# KiCad board asynthosc.kicad_pcb (continued)
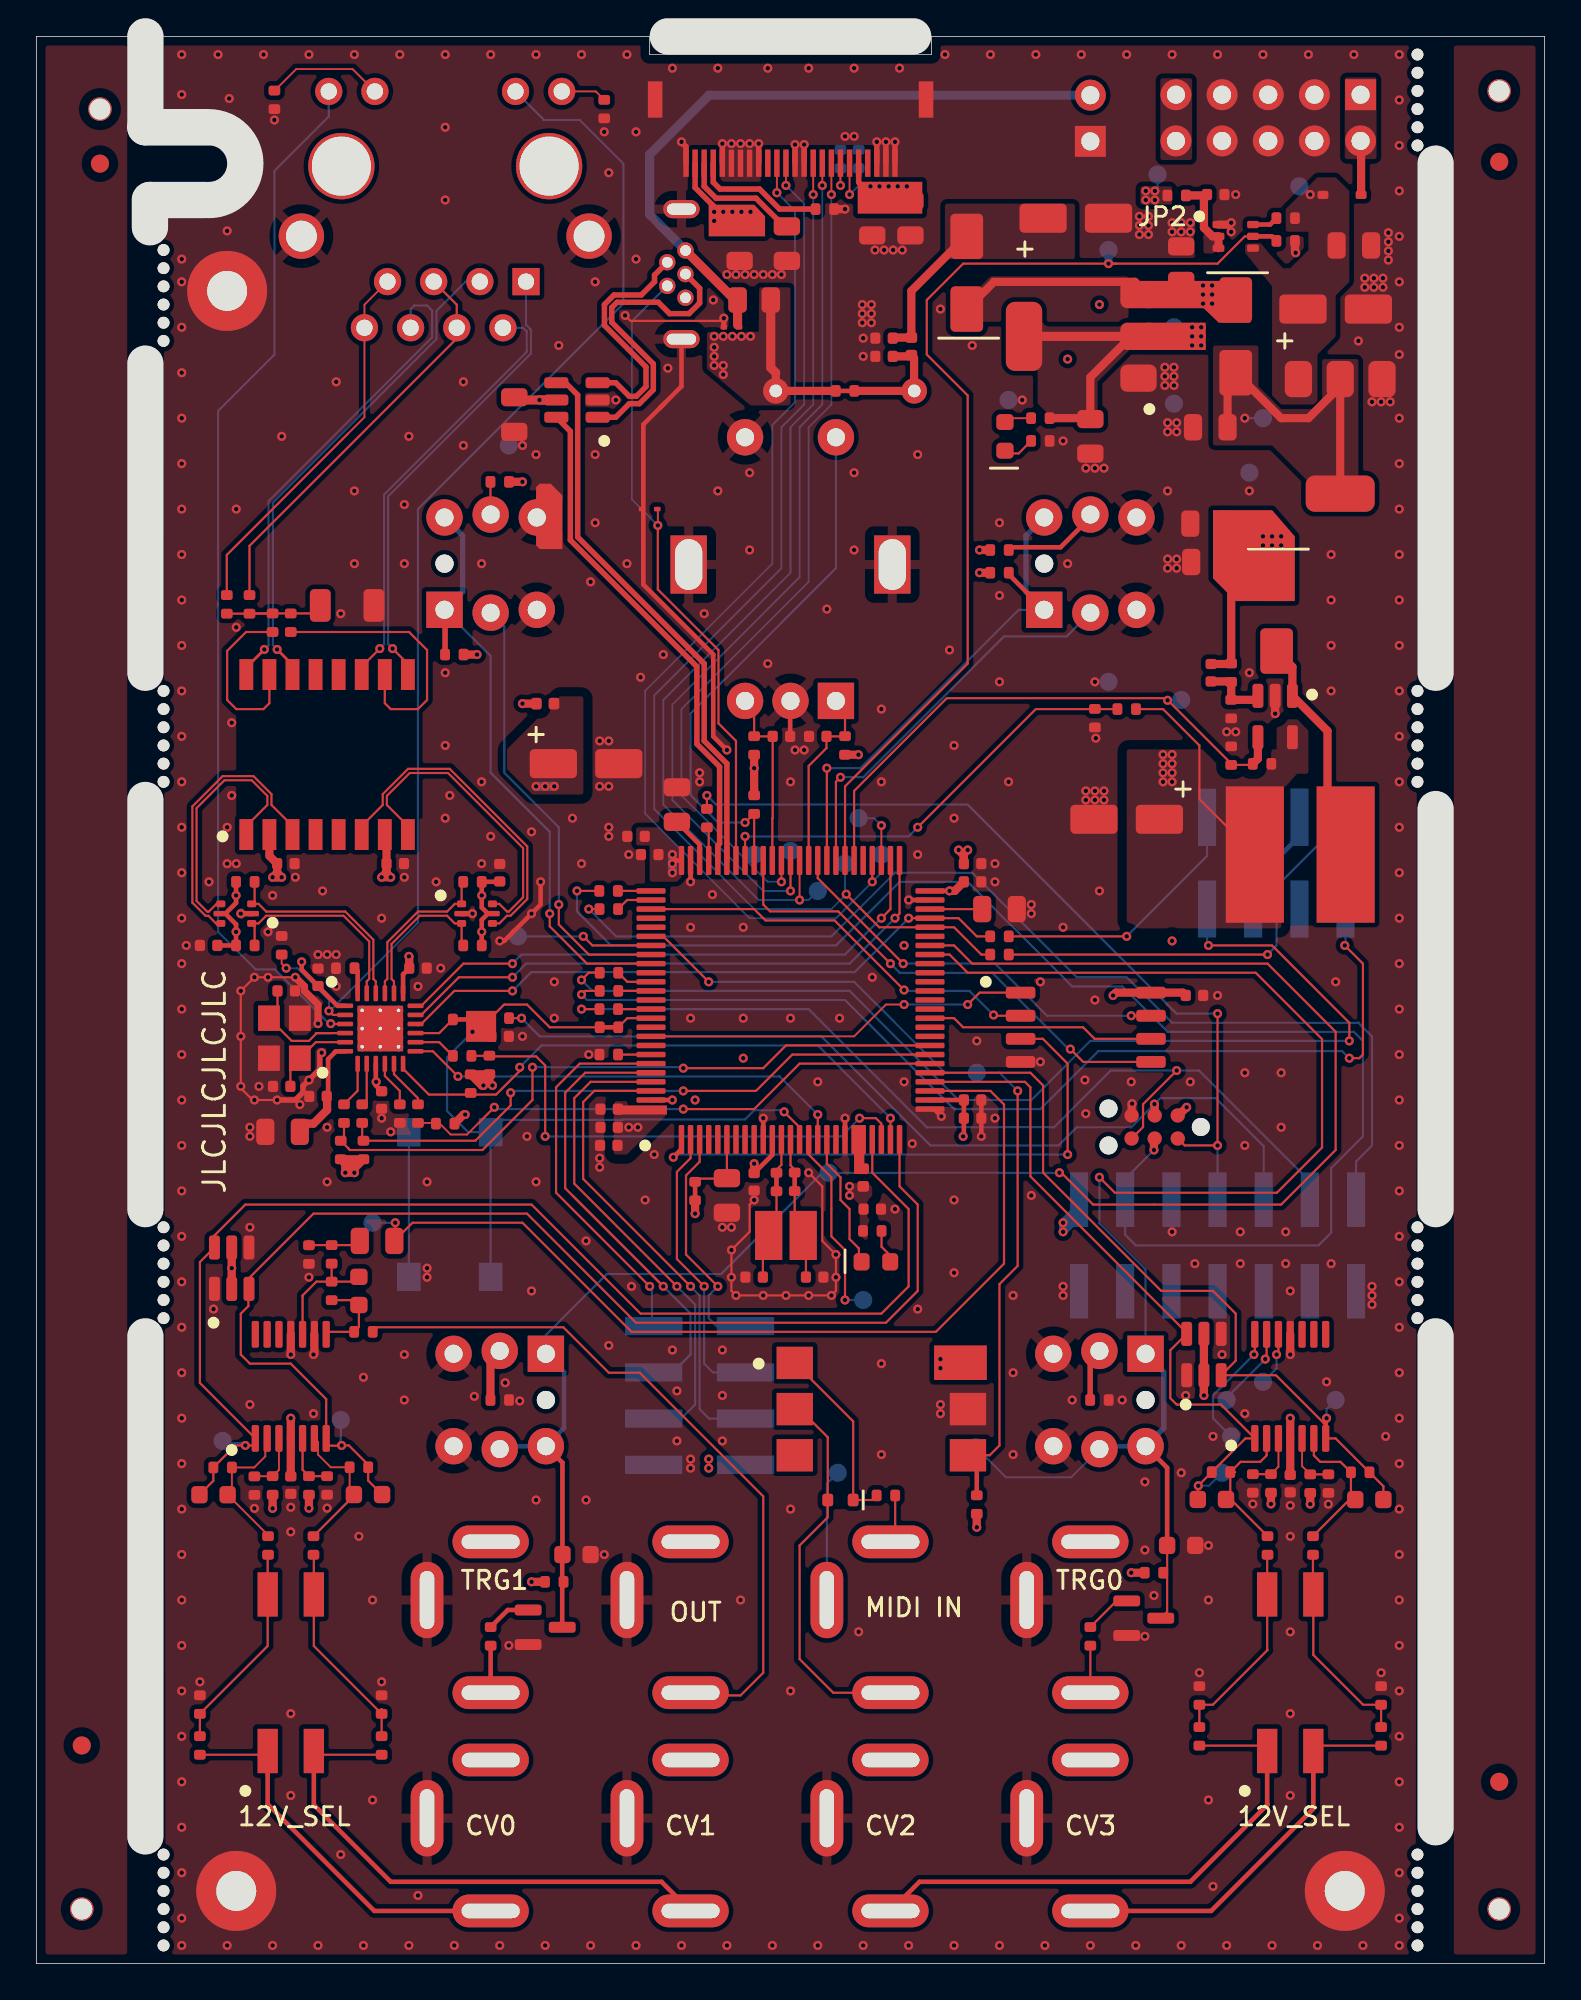
[diagram p0: board, top side]
## Library data of the parts (continued)
R7 R24 R29 R30 R35 R36 R41 R42 R45 R72 R73 = -: Description: Resistor; LCSC: C25741; RefNum: _generic_; JLC: 0402; ki_fp_filters: R_*
R8 = -: Description: Resistor; LCSC: C25900; RefNum: _generic_; JLC: 0402; ki_fp_filters: R_*
R9 R10 R26 R47 R66 R67 R80 R81 = -: Description: Resistor; LCSC: C144055; RefNum: _generic_; JLC: 0402; ki_fp_filters: R_*
R11-R19 = -: Description: Resistor; LCSC: C25092; RefNum: _generic_; JLC: 0402; ki_fp_filters: R_*
R20 R22 = -: Description: Resistor; LCSC: C25783; RefNum: _generic_; JLC: 0402; ki_fp_filters: R_*
R21 = -: Description: Resistor; LCSC: C25908; RefNum: _generic_; JLC: 0402; ki_fp_filters: R_*
R23 = -: Description: Resistor; LCSC: C11702; RefNum: _generic_; JLC: 0402; ki_fp_filters: R_*
R27 R33 R39 R70 = -: Description: Resistor; LCSC: C25792; RefNum: _generic_; JLC: 0402; ki_fp_filters: R_*
R28 R31 R32 R34 R37 R38 R40 R43 R44 R71 R74 R75 = -: Description: Resistor; LCSC: C25779; RefNum: _generic_; JLC: 0402; ki_fp_filters: R_*
R51 = -: Description: Resistor; LCSC: C102811; RefNum: _generic_; JLC: 0402; ki_fp_filters: R_*
R52 R53 R55 R56 = -: Description: Resistor; LCSC: C25105; RefNum: _generic_; JLC: 0402; ki_fp_filters: R_*
R57 R59-R61 = -: Description: Resistor; LCSC: C227387; RefNum: _generic_; JLC: 0402; ki_fp_filters: R_*
R58 = -: Description: Resistor; LCSC: C321280; RefNum: _generic_; JLC: 0402; ki_fp_filters: R_*
R62-R65 = -: Description: Resistor; LCSC: C156124; RefNum: _generic_; JLC: 0402; ki_fp_filters: R_*
R68 R69 = -: Description: Resistor; LCSC: C279989; RefNum: _generic_; JLC: 0402; ki_fp_filters: R_*
R82 = -: Description: Resistor; LCSC: C26083; RefNum: _generic_; JLC: 0402; ki_fp_filters: R_*
SW1 = -: Description: Push button switch, generic, two pins; RefNum: 6.0*6.0*6.0; LCSC: C5127964; Manufacturer: Boomele
SW2 SW5 SW7 SW8 = -: Datasheet: http://www.apem.com/int/index.php?controller=attachment&id_attachment=488; Description: MEC 5G single pole normally-open illuminated tactile switch; LCSC: C2762115; Manufacturer: ROCPU; RefNum: TPB01-3016L6W; ki_fp_filters: SW*MEC*5G*
SW3 SW4 = -: LCSC: C18198124; Manufacturer: Hanbo; RefNum: DO-02PD; ki_fp_filters: SW?DIP?x4*
SW6 = -: Description: Rotary encoder, dual channel, incremental quadrate outputs, with switch and MP Pin; RefNum: EC11E18; Manufacturer: Alps; LCSC: C370986; ki_fp_filters: RotaryEncoder*Switch*
TH1 = -: Description: Temperature dependent resistor, negative temperature coefficient; RefNum: NTC16D-9; LCSC: C2935581; Manufacturer: Ruilon; ki_fp_filters: *NTC* *Thermistor* PIN?ARRAY* bornier* *Terminal?Block* R_*
TP1-TP32 = -: Description: test point; RefNum: _na_; ki_fp_filters: Pin* Test*
TR1 = -: Datasheet: https://www.bourns.com/docs/Product-Datasheets/PT61017PEL.pdf; Description: Ethernet LAN 10/100 Base-Tx Transformer with Center Taps; LCSC: C124001; Manufacturer: Bourns; ki_fp_filters: Transformer*Ethernet*Bourns*PT61017PEL*
U1 = -: Datasheet: http://www.ti.com/lit/ds/symlink/lm1117.pdf; Description: 800mA Low-Dropout Linear Regulator, 3.3V fixed output, TO-263; Sim.Device: V; Sim.Type: DC; Sim.Pins: 1=- 2=+; Sim.Params: dc=3.3; LCSC: C126027; Manufacturer: HTC Korea; RefNum: LM1117S-3.3; JLC: SOT-223; ki_fp_filters: TO?263*
U2 = -: Datasheet: http://www.ti.com/lit/ds/symlink/lmr62421.pdf; Description: 2.1A, 24Vout Boost/SEPIC Voltage Regulator, 1.6MHz Frequency, SOT-23-5; LCSC: C2070685; Manufacturer: TI; JLC: SOT-23-5; ki_fp_filters: SOT?23*
U3 = -: Datasheet: https://www.st.com/resource/en/datasheet/usblc6-2.pdf; Description: Very low capacitance ESD protection diode, 2 data-line, SOT-23-6; LCSC: C5250994; Manufacturer: TWGMC; JLC: SOT-23-6; ki_fp_filters: SOT?23*
U4 = -: Datasheet: http://www.ti.com/lit/ds/symlink/lm1117.pdf; Description: 800mA Low-Dropout Linear Regulator, 5.0V fixed output, TO-263; LCSC: C126028; Manufacturer: HTC Korea; RefNum: LM1117S-5.0; JLC: SOT-223; ki_fp_filters: TO?263*
U5 = -: Datasheet: https://mm.digikey.com/Volume0/opasdata/d220001/medias/docus/1171/SI1869DH.pdf; Description: Load Switch with Level-Shift, SC70-6/SOT363-3; LCSC: C5246384; Manufacturer: Tech Public; RefNum: TPSI1869DH-T1-E3; JLC: SOT-363; ki_fp_filters: SC?70?6* SOT?363*
U7 = -: Datasheet: http://www.winbond.com/resource-files/w25q32jv%20revg%2003272018%20plus.pdf; Description: 32Mbit / 4MiB Serial Flash Memory, Standard/Dual/Quad SPI, 2.7-3.6V, SOIC-8 (208 mil); LCSC: C179173; Manufacturer: Winbond; JLC: SOIC-8; ki_fp_filters: *SOIC*5.3x5.3mm*P1.27mm*
U8 U9 = -: Datasheet: http://ww1.microchip.com/downloads/en/DeviceDoc/21733j.pdf; Description: 1MHz, Low-Power Op Amp, DIP-14/SOIC-14/TSSOP-14; Sim.Library: /home/eve/Documents/asynth2osc/kicad/asynthosc/spice_mods/MCP600x.txt; Sim.Name: MCP6004_pinout; Sim.Device: SUBCKT; Sim.Pins: 1=1 2=2 3=3 4=4 5=5 6=6 7=7 8=8 9=9 10=10 11=11 12=12 13=13 14=14; LCSC: C46864; Manufacturer: TI; JLC: TSSOP-14; ki_fp_filters: SOIC*3.9x8.7mm*P1.27mm* DIP*W7.62mm* TSSOP*4.4x5mm*P0.65mm* SSOP*5.3x6.2mm*P0.65mm* MSOP*3x3mm*P0.5mm*
U10 = -: Datasheet: http://ww1.microchip.com/downloads/en/DeviceDoc/8742a.pdf; Description: LAN8720 Ethernet PHY with RMII interface, QFN-24; LCSC: C621424; Manufacturer: Microchip; JLC: VQFN-24; ki_fp_filters: VQFN*1EP*4x4mm*P0.5mm*
U11 U13 = -: Datasheet: https://www.st.com/resource/en/datasheet/usblc6-2.pdf; Description: Very low capacitance ESD protection diode, 2 data-line, SOT-666; LCSC: C15999; Manufacturer: STMicroelectronics; JLC: SOT-666; ki_fp_filters: SOT?666*
U12 = -: Datasheet: https://www.onsemi.com/pub/Collateral/H11L3M-D.PDF; Description: Schmitt Trigger Output Optocoupler, High Speed, DIP-6, 1.6mA turn on threshold; RefNum: H11L1S-JSM; LCSC: C22376095; Manufacturer: JSMSEMI; JLC: SMDIP-6; ki_fp_filters: DIP*W7.62mm* DIP*W10.16mm* SMDIP*W9.53mm*
U14 = -: Datasheet: https://www.st.com/resource/en/datasheet/stm32h743vi.pdf; Description: STMicroelectronics Arm Cortex-M7 MCU, 2048KB flash, 1024KB RAM, 480 MHz, 1.71-3.6V, 82 GPIO, LQFP100; LCSC: C114409; Manufacturer: STMicroelectronics; JLC: LQFP-100; ki_fp_filters: LQFP*14x14mm*P0.5mm*
Y1 = -: Description: Two pin crystal; RefNum: NX3225GD-8MHZ-STD-CRA-3; LCSC: C889706; Manufacturer: NDK; JLC: SMD3225; ki_fp_filters: Crystal*
Y3 = -: Description: Four pin crystal, GND on pins 2 and 4; RefNum: X322525MOB4SI; Manufacturer: YXC; LCSC: C9006; ki_fp_filters: Crystal*

## Footprints (pads in the part's own frame, mm; a bottom-side part is the same pattern mirrored in y, then rotated)
C_0402_1005Metric
  rrect 0.56x0.62 smd: 1(-0.48,0) 2(0.48,0)
C_0603_1608Metric
  rrect 0.9x0.95 smd: 1(-0.775,0) 2(0.775,0)
C_0805_2012Metric
  rrect 1x1.45 smd: 1(-0.95,0) 2(0.95,0)
C_1206_3216Metric
  rrect 1.15x1.8 smd: 1(-1.475,0) 2(1.475,0)
CP_Elec_4x5.4
  rrect 2.6x1.6 smd: 1(-1.8,0) 2(1.8,0)
Crystal_SMD_3225-2Pin_3.2x2.5mm
  rect 1.5x2.7 smd: 1(0.95,0) 2(-0.95,0)
Crystal_SMD_3225-4Pin_3.2x2.5mm
  rect 1.4x1.2 smd: 1(-1.1,-0.85) 2(1.1,-0.85) 3(1.1,0.85) 4(-1.1,0.85)
D_SMA
  rrect 2.5x1.8 smd: 1(-2,0) 2(2,0)
D_SOD-323
  rrect 0.6x0.45 smd: 1(-1.05,0) 2(1.05,0)
D_SOD-523
  rrect 0.6x0.7 smd: 1(-0.7,0) 2(0.7,0)
D_SOD-923
  rrect 0.36x0.25 smd: 1(-0.42,0) 2(0.42,0)
Fiducial_1mm_Mask2mm
  round 1 smd: (0,0)
Hirose_FH52-24S-0.5SH_1x24-1MP_P0.5mm_Horizontal
  rect 0.3x1.5 smd: 1(-5.75,1.715) 2(-5.25,1.715) 3(-4.75,1.715) 4(-4.25,1.715) 5(-3.75,1.715) 6(-3.25,1.715) 7(-2.75,1.715) 8(-2.25,1.715) 9(-1.75,1.715) 10(-1.25,1.715) 11(-0.75,1.715) 12(-0.25,1.715) 13(0.25,1.715) 14(0.75,1.715) 15(1.25,1.715) 16(1.75,1.715) 17(2.25,1.715) 18(2.75,1.715) 19(3.25,1.715) 20(3.75,1.715) 21(4.25,1.715) 22(4.75,1.715) 23(5.25,1.715) 24(5.75,1.715)
  rect 0.8x2 smd: MP(-7.459,-1.788) MP(7.447,-1.788)
Jack_3.5mm_3legs_XKB_PJ-3411_Vertical
  oval 4.2x1.8 hole 3.2x0.8: R(0,3.2) T(0,-5.1)
  oval 1.8x4.2 hole 0.8x3.2: S(3.5,0)
L_0402_1005Metric
  rrect 0.59x0.64 smd: 1(-0.485,0) 2(0.485,0)
L_XR_XRCD75-XRX_7x7.8
  rect 3.2x7.5 smd: 1(-2.5,0) 2(2.5,0)
LED_0603_1608Metric
  rrect 0.875x0.95 smd: 1(-0.787,0) 2(0.787,0)
LQFP-100_14x14mm_P0.5mm
  rrect 1.6x0.3 smd: 1(-7.675,6) 2(-7.675,5.5) 3(-7.675,5) 4(-7.675,4.5) 5(-7.675,4) 6(-7.675,3.5) 7(-7.675,3) 8(-7.675,2.5) 9(-7.675,2) 10(-7.675,1.5) 11(-7.675,1) 12(-7.675,0.5) 13(-7.675,0) 14(-7.675,-0.5) 15(-7.675,-1) 16(-7.675,-1.5) 17(-7.675,-2) 18(-7.675,-2.5) 19(-7.675,-3) 20(-7.675,-3.5) 21(-7.675,-4) 22(-7.675,-4.5) 23(-7.675,-5) 24(-7.675,-5.5) 25(-7.675,-6) 51(7.675,-6) 52(7.675,-5.5) 53(7.675,-5) 54(7.675,-4.5) 55(7.675,-4) 56(7.675,-3.5) 57(7.675,-3) 58(7.675,-2.5) 59(7.675,-2) 60(7.675,-1.5) 61(7.675,-1) 62(7.675,-0.5) 63(7.675,0) 64(7.675,0.5) 65(7.675,1) 66(7.675,1.5) 67(7.675,2) 68(7.675,2.5) 69(7.675,3) 70(7.675,3.5) 71(7.675,4) 72(7.675,4.5) 73(7.675,5) 74(7.675,5.5) 75(7.675,6)
  rrect 0.3x1.6 smd: 26(-6,-7.675) 27(-5.5,-7.675) 28(-5,-7.675) 29(-4.5,-7.675) 30(-4,-7.675) 31(-3.5,-7.675) 32(-3,-7.675) 33(-2.5,-7.675) 34(-2,-7.675) 35(-1.5,-7.675) 36(-1,-7.675) 37(-0.5,-7.675) 38(0,-7.675) 39(0.5,-7.675) 40(1,-7.675) 41(1.5,-7.675) 42(2,-7.675) 43(2.5,-7.675) 44(3,-7.675) 45(3.5,-7.675) 46(4,-7.675) 47(4.5,-7.675) 48(5,-7.675) 49(5.5,-7.675) 50(6,-7.675) 76(6,7.675) 77(5.5,7.675) 78(5,7.675) 79(4.5,7.675) 80(4,7.675) 81(3.5,7.675) 82(3,7.675) 83(2.5,7.675) 84(2,7.675) 85(1.5,7.675) 86(1,7.675) 87(0.5,7.675) 88(0,7.675) 89(-0.5,7.675) 90(-1,7.675) 91(-1.5,7.675) 92(-2,7.675) 93(-2.5,7.675) 94(-3,7.675) 95(-3.5,7.675) 96(-4,7.675) 97(-4.5,7.675) 98(-5,7.675) 99(-5.5,7.675) 100(-6,7.675)
MountingHole_2.2mm_M2_Pad
  round 4.4 hole 2.2: 1(0,0)
MountingHole_JLC_3.5mm
  round 1.3 hole 1.152 unplated: (0,0)
MouseBytes_JLC
  round 0.65 hole 0.65 unplated: (0,0) (1,0) (2,0) (3,0) (4,0) (5,0)
PinHeader_1x02_P2.54mm_Vertical
  rect 1.7x1.7 hole 1: 1(0,0)
  oval 1.7x1.7 hole 1: 2(0,-2.54)
PinHeader_2x04_P2.54mm_Vertical_SMD
  rect 3.15x1 smd: 1(-2.525,3.81) 2(2.525,3.81) 3(-2.525,1.27) 4(2.525,1.27) 5(-2.525,-1.27) 6(2.525,-1.27) 7(-2.525,-3.81) 8(2.525,-3.81)
PinHeader_2x05_P2.54mm_Vertical
  rect 1.7x1.7 hole 1: 1(0,0)
  oval 1.7x1.7 hole 1: 2(2.54,0) 3(0,-2.54) 4(2.54,-2.54) 5(0,-5.08) 6(2.54,-5.08) 7(0,-7.62) 8(2.54,-7.62) 9(0,-10.16) 10(2.54,-10.16)
PinSocket_2x07_P2.54mm_Vertical_SMD
  rect 3x1 smd: 1(2.52,7.62) 2(-2.52,7.62) 3(2.52,5.08) 4(-2.52,5.08) 5(2.52,2.54) 6(-2.52,2.54) 7(2.52,0) 8(-2.52,0) 9(2.52,-2.54) 10(-2.52,-2.54) 11(2.52,-5.08) 12(-2.52,-5.08) 13(2.52,-7.62) 14(-2.52,-7.62)
R_0402_1005Metric
  rrect 0.54x0.64 smd: 1(-0.51,0) 2(0.51,0)
R_0805_2012Metric
  rrect 1.025x1.4 smd: 1(-0.912,0) 2(0.912,0)
R_Axial_DIN0204_L3.6mm_D1.6mm_P7.62mm_Horizontal
  round 1.4 hole 0.7: 1(0,0)
  oval 1.4x1.4 hole 0.7: 2(7.62,0)
RJ45_CKMTW_R-RJ45S08P-C000_Vertical
  round 3.65 hole 3.25 unplated: (-1.27,-6.35) (10.16,-6.35)
  rect 1.5x1.5 hole 0.9: 1(0,0)
  round 1.5 hole 0.9: 2(1.27,2.54) 3(2.54,0) 4(3.81,2.54) 5(5.08,0) 6(6.35,2.54) 7(7.62,0) 8(8.89,2.54) 9(-1.965,-10.46) 10(0.575,-10.46) 11(8.315,-10.46) 12(10.855,-10.46)
  round 2.5 hole 1.7: SH(-3.47,-2.5) SH(12.36,-2.5)
RotaryEncoder_Alps_EC11E-Switch_Vertical_H20mm
  rect 2x2 hole 1: A(0,0)
  round 2 hole 1: B(0,-5) C(0,-2.5) S1(14.5,-5) S2(14.5,0)
  rect 3.2x2 hole 2.8x1.5: MP(7.5,-8.1) MP(7.5,3.1)
SMDIP-6_W9.53mm
  rect 2x1.78 smd: 1(-4.765,2.54) 2(-4.765,0) 3(-4.765,-2.54) 4(4.765,-2.54) 5(4.765,0) 6(4.765,2.54)
SOIC-8_5.3x5.3mm_P1.27mm
  rrect 1.625x0.65 smd: 1(-3.587,1.905) 2(-3.587,0.635) 3(-3.587,-0.635) 4(-3.587,-1.905) 5(3.587,-1.905) 6(3.587,-0.635) 7(3.587,0.635) 8(3.587,1.905)
SolderJumper_0402_1005Metric_Bridged
  rrect 0.54x0.64 smd: 1(-0.51,0) 2(0.51,0)
SOT-23
  rrect 1.475x0.6 smd: 1(-0.938,0.95) 2(-0.938,-0.95) 3(0.938,0)
SOT-23-5
  rrect 1.325x0.6 smd: 1(-1.137,0.95) 2(-1.137,0) 3(-1.137,-0.95) 4(1.137,-0.95) 5(1.137,0.95)
SOT-23-6
  rrect 1.325x0.6 smd: 1(-1.137,0.95) 2(-1.137,0) 3(-1.137,-0.95) 4(1.137,-0.95) 5(1.137,0) 6(1.137,0.95)
SOT-223-3_TabPin2
  rrect 2x1.5 smd: 1(-3.15,2.3) 2(-3.15,0) 3(-3.15,-2.3)
  rrect 2x3.8 smd: 2(3.15,0)
SOT-363_SC-70-6
  rrect 0.65x0.4 smd: 1(-0.95,0.65) 2(-0.95,0) 3(-0.95,-0.65) 4(0.95,-0.65) 5(0.95,0) 6(0.95,0.65)
SOT-666
  rrect 0.5x0.375 smd: 1(-0.85,0.537) 3(-0.85,-0.537) 4(0.85,-0.537) 6(0.85,0.537)
  rrect 0.65x0.3 smd: 2(-0.925,0) 5(0.925,0)
SW_DIP_SPSTx02_Slide_9.78x7.26mm_W8.61mm_P2.54mm
  rect 2.44x1.12 smd: 1(-4.305,1.27) 2(-4.305,-1.27) 3(4.305,-1.27) 4(4.305,1.27)
SW_SPST_B3S-1000
  rect 1.55x1.3 smd: 1(-3.975,2.25) 1(3.975,2.25) 2(-3.975,-2.25) 2(3.975,-2.25)
Tag-Connect_TC2030-IDC-NL_2x03_P1.27mm_Vertical
  round 0.991 hole 0.991 unplated: (-2.54,0) (2.54,1.016) (2.54,-1.016)
  round 0.787 smd: 1(-1.27,-0.635) 2(-1.27,0.635) 3(0,-0.635) 4(0,0.635) 5(1.27,-0.635) 6(1.27,0.635)
TestPoint_Pad_D1.0mm
  round 1 smd: 1(0,0)
TPB01-X0XLXX_SW_MEC_5G
  round 1 hole 1 unplated: (-2.54,0)
  round 2 hole 1: 1(-2.54,-2.54) 2(0,2.7) 3(0,-2.7) 4(2.54,-2.54) 4(2.54,2.54)
  rect 2x2 hole 1: 1(-2.54,2.54)
Transformer_Ethernet_Bourns_PT61017PEL
  rect 1.7x0.76 smd: 1(-4.4,4.445) 2(-4.4,3.175) 3(-4.4,1.905) 4(-4.4,0.635) 5(-4.4,-0.635) 6(-4.4,-1.905) 7(-4.4,-3.175) 8(-4.4,-4.445) 9(4.4,-4.445) 10(4.4,-3.175) 11(4.4,-1.905) 12(4.4,-0.635) 13(4.4,0.635) 14(4.4,1.905) 15(4.4,3.175) 16(4.4,4.445)
TSSOP-14_4.4x5mm_P0.65mm
  rrect 1.475x0.4 smd: 1(-2.862,1.95) 2(-2.862,1.3) 3(-2.862,0.65) 4(-2.862,0) 5(-2.862,-0.65) 6(-2.862,-1.3) 7(-2.862,-1.95) 8(2.862,-1.95) 9(2.862,-1.3) 10(2.862,-0.65) 11(2.862,0) 12(2.862,0.65) 13(2.862,1.3) 14(2.862,1.95)
USB_Micro-B_Hanxia_HX_MICRO_180D_ZB
  oval 0.9x0.9 hole 0.6: 1(-1.3,0) 2(-0.65,-1) 3(0,0) 4(0.65,-1) 5(1.3,0)
  oval 1x2 hole 0.62x1.6: 6(-3.575,-0.22)
  oval 1x2 hole 0.6x1.62: 6(3.575,-0.22)
VQFN-24-1EP_4x4mm_P0.5mm_EP2.5x2.5mm_ThermalVias
  custom 0.927x0.927 smd: (-0.57,0.57) (-0.57,-0.57) (0.57,0.57) (0.57,-0.57)
  rrect 0.875x0.25 smd: 1(-1.938,1.25) 2(-1.938,0.75) 3(-1.938,0.25) 4(-1.938,-0.25) 5(-1.938,-0.75) 6(-1.938,-1.25) 13(1.938,-1.25) 14(1.938,-0.75) 15(1.938,-0.25) 16(1.938,0.25) 17(1.938,0.75) 18(1.938,1.25)
  rrect 0.25x0.875 smd: 7(-1.25,-1.938) 8(-0.75,-1.938) 9(-0.25,-1.938) 10(0.25,-1.938) 11(0.75,-1.938) 12(1.25,-1.938) 19(1.25,1.938) 20(0.75,1.938) 21(0.25,1.938) 22(-0.25,1.938) 23(-0.75,1.938) 24(-1.25,1.938)
  round 0.5 hole 0.2: 25(-1,1) 25(-1,0) 25(-1,-1) 25(0,1) 25(0,0) 25(0,-1) 25(1,1) 25(1,0) 25(1,-1)
  rect 2.5x2.5 smd: 25(0,0)
  rect 2.5x2.5 smd far side: 25(0,0)

## Nets
3V3: C4.1 C13.1 C14.1 C15.1 C16.1 C17.1 C19.1 C20.1 C21.1 C22.1 C25.1 C26.1 C30.1 C54.1 C55.1 D22.2 D22.5 D24.2 D24.5 DS1.5 FB2.1 FB3.2 J3.1 J4.2 J15.7 JP5.2 R9.1 R10.1 R25.2 R46.2 R48.2 R49.2 R50.2 R51.2 R69.1 R76.1 R77.1 R78.1 R79.1 R80.1 R81.1 R84.1 R85.2 TP29.1 U1.2 U7.8 U12.6 U14.11 U14.27 U14.50 U14.75 U14.100
3V3_FILT: C42.1 C43.1 C44.1 C45.1 C46.1 C47.1 C49.1 C58.1 FB3.1 R57.2 R59.2 R60.2 R61.2 TR1.2 TR1.7 U10.1 U10.9 U10.19 U11.5 U13.5
5V: C1.1 C60.1 C61.1 D5.1 D6.1 R30.2 R36.2 R42.2 R73.2 TP22.1 U1.3 U8.4 U9.4
+10V: C6.2 C7.1 C56.1 C57.1 D4.1 DS1.23 JP2.2 R4.1 TP15.1
/Soc/Ethernet/VDDCR: C40.1 C41.1 U10.6
/Soc/VDDA: FB2.2 U14.20 U14.21
/Supply/5V_CLEAN: C11.1 C12.1 D6.2 FB1.2
/Supply/5V_EUR: C9.1 D5.2 TP16.1 U4.2
/Supply/VBUS: C2.1 C3.1 F1.2 JP1.1 L1.1 R1.2 R8.1 TH1.1 U2.5 U3.5
/Supply/VBUS_CONNECT: D1.2 F1.1 J1.1 J17.2
GND: C1.2 C2.2 C3.2 C4.2 C5.2 C7.2 C8.2 C9.2 C10.2 C11.2 C12.2 C13.2 C14.2 C15.2 C16.2 C17.2 C18.2 C19.2 C20.2 C21.2 C22.2 C23.1 C24.1 C25.2 C26.2 C27.2 C28.2 C29.2 C30.2 C33.1 C37.1 C38.1 C39.1 C40.2 C41.2 C42.2 C43.2 C44.2 C45.2 C46.2 C47.2 C48.2 C49.2 C51.2 C52.2 C53.2 C54.2 C55.2 C56.2 C57.2 C58.2 C59.2 C60.2 C61.2 D1.1 D3.1 D22.1 D22.4 D24.1 D24.4 DS1.1 DS1.2 DS1.3 DS1.11 DS1.12 DS1.16 DS1.17 DS1.18 DS1.19 DS1.20 DS1.24 DS1.MP H1.1 H2.1 H3.1 J1.5 J1.6 J2.3 J2.4 J2.5 J2.6 J2.7 J2.8 J3.5 J4.1 J4.3 J4.5 J4.6 J4.7 J4.9 J4.11 J4.13 J5.4 J5.5 J6.S J7.S J8.S J9.S J10.S J11.S J12.SH J14.S J15.8 J17.1 JP7.1 JP9.1 JP10.1 Q1.2 Q2.2 R2.2 R3.2 R5.1 R7.1 R20.2 R26.2 R28.2 R31.2 R34.2 R37.2 R40.2 R43.2 R47.2 R54.1 R58.2 R66.1 R67.1 R71.2 R74.2 R82.2 R83.2 R86.1 SW1.1 SW2.4 SW5.4 SW6.C SW6.MP SW6.S1 SW7.4 SW8.4 TP17.1 TP18.1 TP19.1 TP20.1 TP21.1 U1.1 U2.2 U3.2 U4.1 U5.1 U7.4 U8.9 U8.11 U9.11 U10.25 U11.2 U12.5 U13.2 U14.10 U14.19 U14.26 U14.49 U14.74 U14.99 Y3.2 Y3.4
/Analog_in/CVIN0: C34.1 D22.6 R32.1 TP8.1 U8.1 U14.22
/Analog_in/CVIN1: C35.1 D22.3 R38.1 TP6.1 U8.7 U14.25
/Analog_in/CVIN2: C36.1 D24.6 R44.1 TP2.1 U9.1 U14.29
/Analog_in/CVIN3: C50.1 D24.3 R75.1 TP7.1 U9.7 U14.30
/Analog_in/TRG0: C37.2 Q2.3 R46.1 SW5.1 SW5.3 TP1.1 U14.43
/Analog_in/TRG1: C33.2 Q1.3 R25.1 SW2.1 SW2.3 TP3.1 U14.44
/Interface/BTN_1: R78.2 SW7.1 U14.84
/Interface/BTN_2: R79.2 SW8.1 U14.59
/Interface/BTN_ROT: R84.2 SW6.S2 U14.67
/Interface/DC: DS1.10 TP14.1 U14.62
/Interface/LED_BTN_1: SW7.2 U14.83
/Interface/LED_BTN_2: SW8.2 U14.58
/Interface/nCS: DS1.8 TP10.1 U14.64
/Interface/nRST: DS1.9 TP9.1 U14.63
/Interface/ROT_A: C52.1 R77.2 SW6.A U14.61
/Interface/ROT_B: C51.1 R76.2 SW6.B U14.65
/Interface/SDIN: DS1.14 TP12.1 U14.54
/Midi_in/MIDI_IN+: J13.R R68.1
/Midi_in/MIDI_IN-: D15.2 J13.T U12.2
/Midi_in/MIDI_SHD: J13.S TP23.1
/Midi_in/MIDI_TO_SOC: R69.2 TP13.1 U12.4 U14.81
/Soc/ADC1_IN9: TP31.1 U14.15
/Soc/BOOT0: R7.2 U14.94
/Soc/DAC_OUT1: C31.2 TP5.1 U14.28
/Soc/DBG_LED: D8.1 U14.17
/Soc/DISP_10V_EN: R1.1 R2.1 TP4.1 U2.4 U14.56
/Soc/DISP_12V_EN: R5.2 TP25.1 U5.5 U14.57
/Soc/Ethernet/RJ45_LED1: J12.12 U10.3
/Soc/Ethernet/RJ45_LED2: J12.10 R86.2 U10.2
/Soc/Ethernet/RJ_RX_N: J12.6 TR1.16
/Soc/Ethernet/RJ_RX_P: J12.3 TR1.14
/Soc/Ethernet/RJ_TX_N: J12.2 TR1.11
/Soc/Ethernet/RJ_TX_P: J12.1 TR1.9
/Soc/Ethernet/RX_N: R57.1 U10.22 U11.3
/Soc/Ethernet/RX_P: R59.1 U10.23 U11.1
/Soc/Ethernet/RX_S_N: TR1.1 U11.4
/Soc/Ethernet/RX_S_P: TR1.3 U11.6
/Soc/Ethernet/TX_N: R60.1 U10.20 U13.3
/Soc/Ethernet/TX_P: R61.1 U10.21 U13.1
/Soc/Ethernet/TX_S_N: TR1.6 U13.4
/Soc/Ethernet/TX_S_P: TR1.8 U13.6
/Soc/EXT_LED1: J15.1 U14.3
/Soc/EXT_LED2: J15.2 U14.95
/Soc/EXT_LED3: J15.3 U14.2
/Soc/EXT_LED4: J15.4 U14.96
/Soc/EXT_LED5: J15.5 U14.98
/Soc/EXT_LED6: J15.6 U14.97
/Soc/JTCK: R15.2 U14.76
/Soc/JTCK_CONN: J3.4 J4.4 R15.1
/Soc/JTDI: R19.2 U14.77
/Soc/JTDI_CONN: J4.14 R19.1
/Soc/JTDO: R18.2 U14.89
/Soc/JTDO_CONN: J3.6 J4.12 R18.1
/Soc/JTMS: R16.2 U14.72
/Soc/JTMS_CONN: J3.2 J4.8 R16.1
/Soc/nRST: C18.1 JP6.1 JP8.2 R17.2 SW1.2 U14.14
/Soc/NRST_CONN: J3.3 J4.10 R17.1
/Soc/QSPI_BK1_IO0: U7.5 U14.66
/Soc/QSPI_BK1_IO1: U7.2 U14.78
/Soc/QSPI_BK1_IO2: U7.3 U14.1
/Soc/QSPI_BK1_IO3: U7.7 U14.60
/Soc/QSPI_BK1_NCS: U7.1 U14.92
/Soc/QSPI_CLK: U7.6 U14.36
/Soc/RMII_CRS_DV: R55.1 R85.1 U14.31
/Soc/RMII_MDC: U10.13 U14.16
/Soc/RMII_MDIO: R51.1 U10.12 U14.24
/Soc/RMII_REF_CLK: R50.1 R56.1 U14.23
/Soc/RMII_RXD0: R48.1 R52.1 U14.32
/Soc/RMII_RXD1: R49.1 R53.1 U14.33
/Soc/RMII_TX_EN: R14.2 U10.16 U14.47
/Soc/RMII_TXD0: U10.17 U14.51
/Soc/RMII_TXD1: U10.18 U14.52
/Soc/SPI2_MISO: TP24.1 U14.53
/Soc/SPI2_SCK: DS1.13 R13.2 TP11.1 U14.46
/Soc/UART4_TX: TP32.1 U14.82
/Soc/USART2_DBG_RX: R11.2 U14.87
/Soc/USART2_DBG_TX: R12.2 U14.86
/Soc/USART3_BOOT_DBG_RX: J5.8 R14.1
/Soc/USART3_BOOT_DBG_TX: J5.2 R13.1
/Soc/USB_D_N: U3.4 U14.70
/Soc/USB_D_P: U3.6 U14.71
/Soc/USB_ID: D3.2 J1.4 U14.69
/Supply/EUR_+12V: D2.2 J2.1 J2.2
/Supply/EUR_-12V: J2.9 J2.10
/Supply/IN_+12V: C5.1 C8.1 D2.1 R6.1 TP30.1 U4.3 U5.4
/Supply/USBIN_D_N: J1.2 U3.3
/Supply/USBIN_D_P: J1.3 U3.1
Net-(C27-Pad1): C27.1 U14.48
Net-(C28-Pad1): C28.1 U14.73
Net-(C31-Pad1): C31.1 R20.1 R21.2
Net-(C32-Pad2): C32.2 R22.1 R23.2 U8.8
Net-(C48-Pad1): C48.1 R62.1 R63.1 R64.1 R65.1
Net-(D4-A): D4.2 L1.2 U2.1
Net-(D7-A): D7.2 R9.2
Net-(D7-K): D7.1 JP7.2
Net-(D8-A): D8.2 R10.2
Net-(D15-K): D15.1 R68.2 U12.1
Net-(DS1-BS1): DS1.6 JP9.2
Net-(DS1-BS2): DS1.7 JP10.2
Net-(DS1-IREF): DS1.21 R82.1
Net-(DS1-VCOMH): C53.1 DS1.22
Net-(J5-Pin_1): J5.1 R11.1
Net-(J5-Pin_7): J5.7 R12.1
Net-(J6-PadT): J6.T R23.1
Net-(J7-PadT): J7.T R24.2
Net-(J8-PadT): J8.T R27.2 SW3.1
Net-(J10-PadT): J10.T R39.2 SW4.1
Net-(J11-PadT): J11.T R45.2
Net-(J12-Pad4): J12.4 J12.5 R64.2
Net-(J12-Pad7): J12.7 J12.8 R65.2
Net-(J12-Pad9): J12.9 R66.2
Net-(J12-Pad11): J12.11 R67.2
Net-(JP1-B): C10.1 FB1.1 JP1.2 TH1.2
Net-(JP2-A): C59.1 JP2.1 U5.2 U5.3
Net-(JP3-A): JP3.1 U14.12
Net-(JP3-B): C23.2 JP3.2 Y1.2
Net-(JP4-A): JP4.1 U14.13
Net-(JP4-B): C24.2 JP4.2 Y1.1
Net-(JP5-A): C29.1 JP5.1 U14.6
Net-(JP6-B): JP6.2 U14.90
Net-(JP8-A): JP8.1 U10.15
Net-(Q1-B): Q1.1 R24.1
Net-(Q2-B): Q2.1 R45.1
Net-(R26-Pad1): R26.1 SW2.2
Net-(R47-Pad1): R47.1 SW5.2
Net-(SW3A-2): R27.1 R28.1 R29.2 SW3.4
Net-(SW3B-1): J9.T R33.2 SW3.2
Net-(SW3B-2): R33.1 R34.1 R35.2 SW3.3
Net-(SW4A-2): R39.1 R40.1 R41.2 SW4.4
Net-(SW4B-1): J14.T R70.2 SW4.2
Net-(SW4B-2): R70.1 R71.1 R72.2 SW4.3
Net-(SW7-K): R80.2 SW7.3
Net-(SW8-K): R81.2 SW8.3
Net-(TP28-Pad1): TP28.1 U9.14
Net-(TR1-C_RX): R63.2 TR1.10
Net-(TR1-C_TX): R62.2 TR1.15
Net-(U2-FB): C6.1 R3.1 R4.2 U2.3
Net-(U5-R1): R6.2 U5.6
Net-(U8A-+): R30.1 R31.1 U8.3
Net-(U8A--): C34.2 R29.1 R32.2 U8.2
Net-(U8B-+): R36.1 R37.1 U8.5
Net-(U8B--): C35.2 R35.1 R38.2 U8.6
Net-(U8C-+): C32.1 R21.1 R22.2 U8.10
Net-(U9A-+): R42.1 R43.1 U9.3
Net-(U9A--): C36.2 R41.1 R44.2 U9.2
Net-(U9B-+): R73.1 R74.1 U9.5
Net-(U9B--): C50.2 R72.1 R75.2 U9.6
Net-(U9D-+): TP26.1 U9.12
Net-(U9D--): TP27.1 U9.13
Net-(U10-CRS_DV/MODE2): R55.2 U10.11
Net-(U10-RBIAS): R58.1 U10.24
Net-(U10-RXD0/MODE0): R52.2 U10.8
Net-(U10-RXD1/MODE1): R53.2 U10.7
Net-(U10-RXER/PHYAD0): R54.2 U10.10
Net-(U10-XTAL1/CLKIN): C38.2 U10.5 Y3.1
Net-(U10-XTAL2): C39.2 U10.4 Y3.3
Net-(U10-~{INT}/REFCLKO): R56.2 U10.14
Net-(U14-PA9): R8.2 R83.1 U14.68

Pads without a net: DS1 4 15; J5 3 6; J6 R; J7 R; J8 R; J9 R; J10 R; J11 R; J14 R; TR1 4 5 12 13; U8 12 13 14; U9 8 9 10; U12 3; U14 4 5 7 8 9 18 34 35 37 38 39 40 41 42 45 55 79 80 85 88 91 93

## Via types
v1: diameter 0.5, hole 0.25, Front to Back, 742 vias

## Routing (per net, layer and track width the routed paths; a pad name or vN(x,y) marks a point on that pad's centre or on a via; arc(x,y) is an arc through that point)
3V3: length 117.5
  Front w0.102: 47.22,97.93 v1(47.4,97.75)
  Front w0.25: v1(51,45.5) 51.04,45.54 C20.1 U14.27 ; v1(35,60.5) 35.17,60.67 U14.75 ; U14.50 v1(50.25,59) ; U14.11 40.5,44.48 C16.1
  Front w0.3: 45.9,96.95 46.8,96.95 46.97,97.12 46.1,97.12 45.25,97.97 DS1.5
  Front w0.45: R49.2 17,43.99 v1(17,43.5) v1(17.5,43.5) 17.5,43.74 ; R49.2 R48.2 17.5,43.74 ; R49.2 17,44.24 17.5,43.74 ; R76.1 v1(39.5,65.75) R84.1 ; R50.2 24.93,48.47 25.08,48.32 ; R50.2 24.6,48.59 v1(24.6,48.3) 24.51,48.3 R51.2 24.92,48.91 R50.2 ; v1(59.25,53.25) 59.41,53.41 63.09,53.41 C30.1 ; D24.2 64.25,31.3 D24.5 ; FB3.2 v1(26.75,69.3) ; R9.1 57.95,85 C4.1 58,87.25 60.25,89.5 61.15,89.5 ; v1(39.5,44) C16.1 ; 45.52,42.73 FB2.1 ; R85.2 23.51,46.7 v1(23.6,46.7) ; D22.5 v1(10.75,38.25) D22.2 ; v1(51.9,77.75) R81.1 ; v1(45.24,66.49) R77.1 ; v1(24.25,72) R78.1 ; v1(50.25,59) 50.54,59 C17.1 ; v1(63.3,47.1) 62.85,46.65 J3.1 ; R79.1 v1(51.9,76.5) ; v1(36.25,41.25) 36.25,41.67 ; v1(26.75,81.5) R80.1 ; 45.49,41.47 C15.1 ; v1(50.75,61.25) 51.04,60.96 C13.1 51.04,61.04 v1(51.25,61.25) ; v1(27.25,21) R25.2 ; v1(60.25,21.5) R46.2 ; v1(51.75,24) R69.1
  Front w0.5: U1.2 U1.2
  In2.Cu w0.25: v1(47.9,97.75) 48.9,98.75 62.25,98.75 64.5,96.5 64.5,94.25 66.25,92.5 66.25,91.65 v1(64.1,89.5) 65.75,89.5 72.5,82.75 72.5,69
  Back w0.12: v1(63.6,90) TP29.1
  Back w0.45: 57.38,41.63 v1(56.5,40.75) v1(56.5,40.25) 57.38,41.13 J4.2 57.38,41.63
  Back w0.5: v1(35,61) v1(35,60)
  vias: v1(25.1,48.3) v1(32.6,46) v1(33.1,46) v1(37,27.75) v1(37,27.25) v1(44.75,42.75) v1(44.75,42.25) v1(45.9,97.75) v1(46.4,97.75) v1(46.9,97.75) v1(49.75,33.25) v1(49.75,32.75) v1(63.6,89.5) v1(63.6,89) v1(64.1,90) v1(64.1,89) v1(64.25,31.25)
3V3_FILT: length 26.5
  Front w0.25: v1(14.6,55.1) 14.6,54.67 C43.1 15.5,53.75 16.57,52.68 U10.1 ; U10.9 18.68,48.3 C42.1 ; 24.85,57.75 24.51,57.41 R60.2 ; 24.85,57.75 24.51,58.09 R61.2 25.48,59.5 C49.1 ; 24.85,57.75 U13.5 ; U11.5 10.4,57.75 ; 10.4,57.75 10.99,58.34 R57.2 ; 10.4,57.75 10.99,57.16 R59.2 C58.1 ; U10.19 20.18,54.41 C44.1
  Front w0.45: C46.1 19.27,62 TR1.7 ; C46.1 19.27,60.02 v1(19,59.75) v1(19.5,59.75) 19.27,59.98 C46.1 ; 13.25,59.75 v1(13.5,59.75) 13.25,60 ; 13.25,59.75 v1(13,59.75) 13.25,60 ; 13.25,59.75 13.25,60 ; TR1.2 12.83,60.92 C47.1 13.25,60 ; C44.1 20.52,55.38 v1(20.5,55.4)
  Back w0.5: v1(27.5,64.75) v1(28.5,64.75)
  vias: v1(10.99,58.75) v1(10.99,56.75) v1(18.7,48.5) v1(24.51,58.75) v1(24.51,56.75) v1(28,64.75)
5V: length 166
  Front w0.45: v1(14,30) U8.4 C61.1 ; C60.1 U9.4 v1(69,30) ; R30.2 v1(13,25.04) ; R36.2 v1(15,25.05) ; D6.1 52.7,92.5 60.45,92.5 60.65,92.3 ; v1(70.1,25.27) R73.2 ; v1(67.94,25.28) R42.2
  In2.Cu w0.45: 14,26.25 15,25.25 v1(15,25.05) ; 14,26.25 v1(14,30) 19.25,35.25 65,35.25 66.25,34 66.25,32.75 v1(69,30) ; 14,26.25 14,26.04 v1(13,25.04) ; v1(69,30) 69,26.5 ; v1(69,30) 70.25,31.25 70.25,83 67.5,85.75 61.95,85.75 61.25,86.45 61.25,90 62.5,91.25 63.15,91.25 v1(64.2,92.3) ; 69,26.5 69,26.34 v1(67.94,25.28) ; 69,26.5 69,26.25 69.98,25.27 v1(70.1,25.27)
  Back w0.12: v1(64.2,92.3) 64.1,92.4 TP22.1
  vias: v1(64.2,91.8) v1(64.2,91.3) v1(64.7,92.3) v1(64.7,91.8) v1(64.7,91.3)
+10V: length 43.4
  Front w0.3: v1(37.3,96.35) 37.3,96.63 36.25,97.68 DS1.23
  Front w0.45: C6.2 65.72,71.48 R4.1 65.75,75.44 67.12,76.81
  In2.Cu w0.25: 64.3,82.2 63.5,83 61,83 53,91 51.5,91 ; v1(61.55,97) 61.3,97.25 57.75,97.25 51.5,91 ; 51.5,91 49.3,88.8
  Back w0.12: TP15.1 61.7,97.7 61.5,97.5
  vias: v1(37.3,95.85) v1(37.8,96.35) v1(38.3,96.35) v1(38.8,96.35) v1(39.3,96.35) v1(61.05,97.5) v1(61.05,97) v1(61.55,97.5) v1(67.5,78.5) v1(67.5,78) v1(68,78.5) v1(68,78) v1(68.5,78.5) v1(68.5,78)
/Soc/Ethernet/VDDCR: length 6
  Front w0.25: C40.1 16.05,47.77 16.05,49.75 16.4,50.09 16.4,50.1 16.48,50.18 U10.6
  Front w0.45: C41.1 14.95,46.2 15.25,46.2 16,46.95 16,47.68 C40.1
/Soc/VDDA: length 1.6
  Front w0.12: FB2.2 U14.21
/Supply/5V_CLEAN: length 7.9
  Front w0.45: C11.1 47.17,89.44 FB1.2 48.15,92 51.15,95 D6.2
/Supply/5V_EUR: length 18.4
  Front w0.45: C9.1 65.55,87.05 D5.2 68.5,85 70,85 71.75,86.75 U4.2 U4.2
  Back w0.12: TP16.1 v1(66.5,85)
/Supply/VBUS: length 23
  Front w0.12: 66.05,61 66.05,62 64,64.05 64,67 62,69 R8.1
  Front w0.45: 43.69,86.5 40.31,86.5 ; TH1.1 40.69,87.5
  Front w0.5: F1.2 40.41,87.78 40.69,87.5 ; v1(27.69,86) U3.5 26.45,86 C2.1
  vias: v1(37.3,89.5) v1(37.3,88.9) v1(37.3,88.4) v1(37.3,87.9) v1(37.8,89.5) v1(37.8,87.9) v1(37.8,87.4) v1(38.3,89.5) v1(38.8,89.5) v1(39.3,89.5) v1(62,66.5) v1(62,66) v1(62,65.5) v1(62,65) v1(62.5,66.5) v1(62.5,66) v1(62.5,65.5) v1(62.5,65)
/Supply/VBUS_CONNECT: length 37.1
  Front w0.5: 38.59,90.12 F1.1 38.44,91.5 J1.1
  Back w0.5: J17.2 37.02,102.77 33.75,99.5 33.75,96.19 J1.1
GND: length 135
  Front w0.12: v1(13.25,47.5) v1(12,47.5) 11.9,47.5 11.25,48.15 v1(11.25,48.25) v1(11.25,51) v1(11.25,53.5) v1(12,54.25) v1(14.25,54.25) ; v1(39.5,42) 39.25,41.75 39.25,40.25 v1(38.25,39.25) v1(38.25,37.75) 38.25,37 v1(38.5,36.75) v1(40,36.75) v1(41.25,36.75) v1(42.5,36.75) v1(43.75,36.75) 44,37 v1(44,39) 43.25,39.75 43.25,42.75 v1(42.5,43.5) ; 27.49,74.41 SW7.4 ; v1(37.83,90.5) 37.68,90.35 32.7,90.35 v1(32.4,90.65) ; 15.8,50 v1(15.7,50.1)
  Front w0.25: v1(38,66.75) 37.25,67.5 37.25,72 33.4,75.85 33.4,84.65 34.33,85.58 ; v1(25.5,56.25) 25.75,56.25 27.75,58.25 v1(27.75,59.5) ; 27.54,82.96 v1(27.5,83) ; SW6.C 41.48,69.43 C51.2 ; U14.99 v1(35,47.5) ; v1(40,46.5) U14.10 ; v1(36,59.5) U14.74 ; v1(44.5,46.5) U14.19 ; 34.33,85.58 35.5,86.75 J1.6 ; 34.33,85.58 34.59,85.84 ; U14.26 49.4,47 v1(49.8,46.6) ; U14.49 v1(48,58.5) ; C20.2 v1(52,45.5)
  Front w0.3: 39.7,100.05 v1(39.75,100.1) DS1.16 ; 47.25,99 v1(47.25,100.2) ; v1(37.83,90.5) 37.83,90.03 ; v1(13.25,47.5) 14.25,47.5 14.67,47.92 14.67,48.28 15.6,49.2 15.6,50 v1(15.7,50.1) ; DS1.3 v1(46.25,100.2) ; v1(35.5,100.2) 35.5,100.18 35.75,99.93 DS1.24 ; 37.7,100.05 v1(37.75,100.1) DS1.20 ; U13.2 v1(24,57.75) ; v1(46.75,100.2) 46.75,99 ; 41.75,99 v1(41.75,100.05) ; U11.2 v1(11.25,57.75) ; v1(42.25,100.05) 42.25,99
  Front w0.4: v1(14.25,54.25) 14.75,53.75 14.75,53.5 15.5,52.75 v1(15.5,51.7)
  Front w0.45: v1(15.25,33.5) 15.3,33.55 U8.9 ; v1(69,33.5) U9.11 ; v1(60.3,47.3) 60.27,47.27 J3.5 ; v1(14,33.5) U8.11 ; v1(44.5,96.5) R82.2 ; U5.1 65.65,95.65 v1(65.75,95.75) ; v1(68.17,68.75) U2.2 ; v1(69.3,94.1) 69.26,94.14 R5.1
  In2.Cu w0.45: v1(74,16) 75,16 ; 8,15.5 v1(9,15.5) ; v1(73.5,37.25) v1(73.5,36.25) ; v1(74.25,29) 75,29 ; v1(65.75,95.75) v1(65.75,95.25) ; v1(73.5,36.75) 75.05,36.75 75.1,36.8
  In2.Cu w0.5: v1(73.5,85.9) v1(74.5,85.9) ; v1(10.5,60.5) v1(11,60.5) ; v1(74.4,95.2) v1(74.4,93.7) ; v1(44.5,100.5) v1(45,100.5) ; v1(37.75,100.1) v1(39.75,100.1) ; v1(46.15,94.25) v1(47.65,94.25) ; v1(38,92.9) v1(41,92.9) ; v1(41.75,100.05) v1(42.25,100.05) ; v1(46.25,100.2) v1(47.25,100.2) ; v1(11.75,46) v1(11.75,45.5) ; v1(15.5,55.5) v1(16.5,55.5) ; v1(54.75,58.25) v1(54.75,57.75)
  Back w0.12: SW1.1 SW1.1 ; 55.9,28.4 SW5.4
  Back w0.25: J5.4 69.5,62 66.96,59.46 J5.5
  vias: v1(8,105) v1(8,102.8) v1(8,93.75) v1(8,92.5) v1(8,90) v1(8,87.5) v1(8,85) v1(8,82.5) v1(8,80) v1(8,77.5) v1(8,75) v1(8,72.5) v1(8,70) v1(8,67.5) v1(8,65) v1(8,62.5) v1(8,60) v1(8,57.5) v1(8,55) v1(8,52.5) v1(8,50) v1(8,47.5) v1(8,45) v1(8,42.5) v1(8,40) v1(8,37.5) v1(8,35) v1(8,32.5) v1(8,30) v1(8,27.5) v1(8,25) v1(8,22.5) v1(8,20) v1(8,17.5) v1(8,15) v1(8,12.5) v1(8,10) v1(8,7.5) v1(8,5) v1(8,2.5) v1(8,1) v1(8.25,56) v1(9.5,59.5) v1(9.75,36) v1(10,105) v1(10.5,95.3) v1(10.5,62.5) v1(10.5,1) v1(10.61,102.58) v1(10.75,68.25) v1(10.75,64.25) v1(11,80) v1(11,73.5) v1(11.75,40.5) v1(11.75,30.75) v1(12,25.04) v1(12.25,48.25) v1(12.5,105) v1(12.75,56.75) v1(12.75,54.25) v1(13,58.75) v1(13,1) v1(13.1,101.4) v1(13.5,84) v1(14,25.1) v1(14,23.75) v1(14,13.75) v1(14,9.25) v1(14.25,59.75) v1(14.5,47.25) v1(15,105) v1(15,48.6) v1(15,37.75) v1(15.25,30.25) v1(15.5,1) v1(15.75,59) v1(16,55.5) v1(16,46) v1(16,43) v1(16,25.05) v1(16.5,87) v1(16.5,53.75) v1(16.75,74.25) v1(16.75,6) v1(17.5,105) v1(17.5,81) v1(17.5,77) v1(17.75,23.5) v1(18,32.25) v1(18,1) v1(18.5,20) v1(18.5,9) v1(19,57.5) v1(19,46.5) v1(19,15.5) v1(19.5,45.75) v1(20,105) v1(20.25,80.25) v1(20.25,77) v1(20.25,59.75) v1(20.25,33.5) v1(20.25,31) v1(20.5,84) v1(20.5,1) v1(21,53.75) v1(21,3.75) v1(21.5,43) v1(21.5,38.25) v1(21.5,37.75) v1(22,59.5) v1(22.25,54.75) v1(22.5,105) v1(22.5,101) v1(22.5,97) v1(22.5,71) v1(22.5,67) v1(22.5,63) v1(22.75,64.25) v1(23,1) v1(23.5,87) v1(23.5,83.5) v1(24.1,31.2) v1(24.5,77) v1(24.5,65) v1(24.5,60.5) v1(25,105) v1(25,62) v1(25.5,1) v1(25.8,31.95) v1(26,17.5) v1(26.6,30.95) v1(26.75,83.5) v1(26.75,51) v1(27,45.5) v1(27.25,62.25) v1(27.25,57.75) v1(27.25,37) v1(27.5,105) v1(27.5,43) v1(27.5,25.5) v1(28,1) v1(28.5,54) v1(28.5,52) v1(28.75,89) v1(29.5,63) v1(30,105) v1(30,60.5) v1(30.25,39.75) v1(30.25,25.5) v1(30.4,50) v1(30.5,76) v1(30.5,1) v1(30.75,92.5) v1(30.75,83) v1(30.75,79.25) v1(31,67.25) v1(31,64.75) v1(31,44.3) v1(31,43.8) v1(31.25,100.75) v1(31.25,22.5) v1(31.5,98.5) v1(31.5,67.25) v1(31.5,64.75) v1(31.5,62.5) v1(31.5,62) v1(31.5,34) v1(31.89,86) v1(32.5,105) v1(32.5,77) v1(32.6,61) v1(32.75,37.25) v1(33,100.75) v1(33,93.75) v1(33,1) v1(33.25,70.75) v1(33.5,42) v1(34,44.5) v1(34.5,72) v1(34.75,87.75) v1(35,104.25) v1(35,33.75) v1(35.25,31.5) v1(35.25,28.75) v1(35.5,1) v1(36,57) v1(36,52) v1(36,27.75) v1(36,27.25) v1(36.25,47.5) v1(36.5,65.5) v1(36.5,65) v1(36.75,74.25) v1(37.25,91.5) v1(37.2,58.8) v1(37.5,104.25) v1(37.5,81) v1(37.75,40.5) v1(37.75,33.75) v1(37.75,31.25) v1(37.75,28.75) v1(38,1) v1(38.25,100.1) v1(38.25,40.5) v1(38.5,92.9) v1(38.75,100.1) v1(38.75,20) v1(38.9,57) v1(38.9,52) v1(38.9,49.8) v1(39,92.9) v1(39.25,100.1) v1(39.25,82) v1(39.25,77.75) v1(39.5,92.9) v1(40,92.9) v1(40.25,104.25) v1(40.25,71.5) v1(40.5,92.9) v1(40.5,1) v1(41.5,65) v1(41.5,52) v1(41.5,25) v1(41.5,15) v1(41.75,66.75) v1(42.25,66.75) v1(42.5,104.25) v1(43,48.5) v1(43,1) v1(43.5,74.5) v1(44,37.75) v1(44.2,52) v1(45,104.25) v1(45,82) v1(45,77.75) v1(45.25,18.25) v1(45.45,91.25) v1(45.45,90.75) v1(45.45,90.25) v1(45.5,89.4) v1(45.5,88.4) v1(45.5,1) v1(45.95,91.25) v1(45.95,90.75) v1(45.95,90.25) v1(46,54.25) v1(46.5,69) v1(46.5,65) v1(46.5,33) v1(46.5,28) v1(46.65,94.25) v1(47.15,94.25) v1(47.25,41.5) v1(47.5,104.25) v1(47.75,56) v1(47.75,48.5) v1(48,1) v1(48.2,45.1) v1(48.5,83) v1(48.5,61) v1(48.5,36) v1(49.75,91) v1(49.75,30.75) v1(49.75,30.25) v1(50,105) v1(50.25,72.25) v1(50.5,67) v1(50.5,63) v1(50.5,42) v1(50.5,38) v1(50.5,1) v1(51.5,89) v1(51.75,50.75) v1(52.5,105) v1(52.75,60.5) v1(52.75,59.5) v1(52.75,46.5) v1(53,79.25) v1(53,75.25) v1(53,70.5) v1(53,1) v1(53.5,65) v1(53.75,36.75) v1(53.75,32.5) v1(53.75,28) v1(54.25,86) v1(54.75,42.25) v1(55,105) v1(55.25,54) v1(55.25,49.6) v1(55.5,1) v1(56.5,83.75) v1(56.5,57) v1(56.5,37.25) v1(56.5,36.75) v1(56.75,88.25) v1(56.75,77) v1(57,31) v1(57.5,105) v1(57.7,48.6) v1(57.75,82.25) v1(57.75,64.5) v1(57.75,64) v1(57.75,46.75) v1(58,1) v1(58.25,82.25) v1(58.25,70.5) v1(58.25,64.5) v1(58.25,64) v1(58.25,53) v1(58.3,67.4) v1(58.5,91.25) v1(58.5,59) v1(58.75,82.25) v1(58.75,64.5) v1(58.75,64) v1(59.75,31) v1(60,105) v1(60.25,48.5) v1(60.5,1) v1(60.7,96.1) v1(60.7,95.6) v1(60.7,95.1) v1(61,26.5) v1(61,22.75) v1(61,18) v1(61.2,96.1) v1(61.2,95.6) v1(61.2,95.1) v1(61.5,20.25) v1(62.1,87.8) v1(62.1,87.3) v1(62.1,86.8) v1(62.25,84.75) v1(62.25,84.25) v1(62.25,81) v1(62.25,77.25) v1(62.25,76.75) v1(62.5,105) v1(62.5,95.75) v1(62.5,95.25) v1(62.5,56.25) v1(62.5,40.25) v1(62.6,87.8) v1(62.6,87.3) v1(62.6,86.8) v1(62.75,84.75) v1(62.75,84.25) v1(62.75,77.25) v1(62.75,76.75) v1(63,95.75) v1(63,95.25) v1(63,27) v1(63,1) v1(63.25,31.25) v1(63.5,95.75) v1(63.5,95.25) v1(63.5,48.5) v1(63.75,38.5) v1(64,16) v1(64.5,23) v1(64.5,20) v1(64.5,9) v1(64.75,29) v1(64.75,4.25) v1(65,105) v1(65,53.25) v1(65.25,33.5) v1(65.5,67.75) v1(65.5,1) v1(66,97.3) v1(66,67.75) v1(66.25,40.25) v1(66.25,38.5) v1(66.5,49) v1(66.5,45) v1(66.5,30.25) v1(66.75,81) v1(66.75,71) v1(66.94,25.28) v1(67.5,105) v1(68,1) v1(68.5,49) v1(68.5,46) v1(68.75,40.25) v1(68.75,38.5) v1(69,37) v1(69,25.2) v1(69,23.5) v1(69,18.25) v1(69,13.75) v1(69,9.25) v1(70,105) v1(70.5,1) v1(71,32) v1(71.1,25.27) v1(71.25,77.5) v1(71.25,75) v1(71.25,72.5) v1(71.25,70) v1(71.25,38.5) v1(71.5,54) v1(72.5,105) v1(72.75,89.25) v1(73,1) v1(73.1,92.7) v1(73.1,92.2) v1(73.6,92.7) v1(73.6,92.2) v1(74,85.9) v1(74.1,92.7) v1(74.1,92.2) v1(74.4,94.7) v1(74.4,94.2) v1(75,105) v1(75,102.5) v1(75,100) v1(75,97.5) v1(75,95) v1(75,92.5) v1(75,90) v1(75,88.5) v1(75,85) v1(75,82.5) v1(75,80) v1(75,77.5) v1(75,75) v1(75,72.5) v1(75,70) v1(75,67.5) v1(75,65) v1(75,62.5) v1(75,60) v1(75,57.5) v1(75,55) v1(75,52.5) v1(75,50) v1(75,47.5) v1(75,45) v1(75,42.5) v1(75,40) v1(75,37.5) v1(75,35) v1(75,32.5) v1(75,30) v1(75,27.5) v1(75,25) v1(75,22.5) v1(75,20) v1(75,17.5) v1(75,15) v1(75,12.5) v1(75,10) v1(75,7.5) v1(75,5) v1(75,2.5) v1(75,1)
